# KiCad board DoubleWig.kicad_pcb

Outline 157.48 x 54.61 mm; copper layers: Top, Bottom. Coordinates in mm from the lower left corner of the outline.
Outline path: 78.12,41.81 78.12,12.8 78.15,12.6 78.26,12.16 78.38,12.07 79.13,12.07 79.26,12.16 79.37,12.6 79.39,12.8 79.39,41.81 79.37,42.01 79.26,42.45 79.13,42.55 78.38,42.55 78.26,42.45 78.15,42.01 closed ; 79.39,48.36 79.37,48.16 79.26,47.72 79.13,47.63 78.38,47.63 78.26,47.72 78.15,48.16 78.12,48.36 78.12,51.97 78.15,52.17 78.26,52.61 78.38,52.71 79.13,52.71 79.26,52.61 79.37,52.17 79.39,51.97 closed ; 79.39,2.64 79.37,2.44 79.26,2 79.13,1.91 78.38,1.91 78.26,2 78.15,2.44 78.12,2.64 78.12,6.25 78.15,6.45 78.26,6.89 78.38,6.99 79.13,6.99 79.26,6.89 79.37,6.45 79.39,6.25 closed ; 157.48,52.5 157.37,52.96 157.07,53.32 155.53,54.42 155.25,54.56 154.94,54.61 81.28,54.61 80.97,54.56 80.69,54.42 80.21,54.11 80,54.01 79.77,53.98 77.71,53.98 77.48,54.01 77.27,54.11 76.79,54.42 76.51,54.56 76.2,54.61 2.54,54.61 2.23,54.56 1.95,54.42 0.44,53.34 0.12,52.98 0,52.5 0,44.45 0.64,41.91 0.64,12.7 0,10.16 0,2.11 0.12,1.63 0.44,1.27 1.95,0.19 2.23,0.05 2.54,0 64.77,0 76.2,0 76.51,0.05 76.79,0.19 77.27,0.5 77.48,0.6 77.71,0.64 79.77,0.64 80,0.6 80.21,0.5 80.69,0.19 80.97,0.05 81.28,0 92.71,0 143.51,0 154.94,0 155.25,0.05 155.54,0.19 157.07,1.29 157.37,1.65 157.48,2.11 157.48,10.16 156.85,12.7 156.85,41.91 157.48,44.45 closed
Stack: Top 0.035mm / dielectric 1.51mm FR4 er 4.5 / Bottom 0.035mm

## Placement (name value [footprint] x y rotation side)
J1  Conn_01x01  [PinHeader_1x1_Smallest]  59.58 0.64 0 top
J1#2  Conn_01x01  [PinHeader_1x1_Smallest]  138.32 0.64 0 top
J2  Conn_01x01  [PinHeader_1x1_Smallest]  139.85 0.64 0 top
J2#2  Conn_01x01  [PinHeader_1x1_Smallest]  61.11 0.64 0 top
J3  Conn_01x01  [PinHeader_1x1_Smallest]  19.2 0.64 0 top
J3#2  Conn_01x01  [PinHeader_1x1_Smallest]  97.94 0.64 0 top
J4  Conn_01x01  [PinHeader_1x1_Smallest]  96.41 0.64 0 top
J4#2  Conn_01x01  [PinHeader_1x1_Smallest]  17.67 0.64 0 top
J5  Conn_01x01  [PinHeader_1x1_Smallest]  39.39 0.64 0 top
J5#2  Conn_01x01  [PinHeader_1x1_Smallest]  118.13 0.64 0 top
J11  Conn_01x30  [Conn_6x30_drill]  39.39 12.06 0 top
J11#2  Conn_01x30  [Conn_6x30_drill]  118.13 12.06 0 top
J18  Conn_01x30  [Conn_6x30_drill]  118.13 27.31 0 top
J18#2  Conn_01x30  [Conn_6x30_drill]  39.39 27.31 0 top
NOREF  -  [4b964f58-7dcf-4822-b51b-f3323b5198ca]  158.3 27.77 0 top
NOREF#2  -  [4b964f58-7dcf-4822-b51b-f3323b5198ca]  79.56 53.17 0 top
NOREF#3  -  [4b964f58-7dcf-4822-b51b-f3323b5198ca]  157.67 -0.17 0 top
NOREF#4  -  [unnamed]  1.92 44.45 0 top
NOREF#5  -  [4b964f58-7dcf-4822-b51b-f3323b5198ca]  158.62 9.99 0 top
NOREF#6  -  [4b964f58-7dcf-4822-b51b-f3323b5198ca]  158.3 37.93 0 top
NOREF#7  -  [4b964f58-7dcf-4822-b51b-f3323b5198ca]  -0.79 29.38 180 top
NOREF#8  -  [4b964f58-7dcf-4822-b51b-f3323b5198ca]  -0.15 54.78 180 top
NOREF#9  -  [unnamed]  80.66 10.16 0 top
NOREF#10  -  [4b964f58-7dcf-4822-b51b-f3323b5198ca]  158.62 43.01 0 top
NOREF#11  -  [4b964f58-7dcf-4822-b51b-f3323b5198ca]  79.56 2.37 0 top
NOREF#12  -  [4b964f58-7dcf-4822-b51b-f3323b5198ca]  158.3 22.69 0 top
NOREF#13  -  [4b964f58-7dcf-4822-b51b-f3323b5198ca]  -0.79 26.84 180 top
NOREF#14  -  [4b964f58-7dcf-4822-b51b-f3323b5198ca]  79.56 12.53 0 top
NOREF#15  -  [4b964f58-7dcf-4822-b51b-f3323b5198ca]  -0.79 39.54 180 top
NOREF#16  -  [4b964f58-7dcf-4822-b51b-f3323b5198ca]  79.56 25.23 0 top
NOREF#17  -  [unnamed]  76.85 44.45 0 top
NOREF#18  -  [f7de1319-300c-4628-8d0f-cc129d05e6c7]  0.61 9.99 0 top
NOREF#19  -  [4b964f58-7dcf-4822-b51b-f3323b5198ca]  79.56 20.15 0 top
NOREF#20  -  [4b964f58-7dcf-4822-b51b-f3323b5198ca]  158.3 15.07 0 top
NOREF#21  -  [4b964f58-7dcf-4822-b51b-f3323b5198ca]  158.3 32.85 0 top
NOREF#22  -  [4b964f58-7dcf-4822-b51b-f3323b5198ca]  79.56 35.39 0 top
NOREF#23  -  [4b964f58-7dcf-4822-b51b-f3323b5198ca]  79.56 37.93 0 top
NOREF#24  -  [4b964f58-7dcf-4822-b51b-f3323b5198ca]  79.56 4.91 0 top
NOREF#25  -  [4b964f58-7dcf-4822-b51b-f3323b5198ca]  79.56 45.55 0 top
NOREF#26  -  [4b964f58-7dcf-4822-b51b-f3323b5198ca]  -0.79 42.08 180 top
NOREF#27  -  [4b964f58-7dcf-4822-b51b-f3323b5198ca]  158.3 40.47 0 top
NOREF#28  -  [4b964f58-7dcf-4822-b51b-f3323b5198ca]  79.56 30.31 0 top
NOREF#29  -  [4b964f58-7dcf-4822-b51b-f3323b5198ca]  158.3 25.23 0 top
NOREF#30  -  [unnamed]  76.85 10.16 0 top
NOREF#31  -  [4b964f58-7dcf-4822-b51b-f3323b5198ca]  -0.79 34.46 180 top
NOREF#32  -  [4b964f58-7dcf-4822-b51b-f3323b5198ca]  79.56 -0.17 0 top
NOREF#33  -  [4b964f58-7dcf-4822-b51b-f3323b5198ca]  158.62 4.91 0 top
NOREF#34  -  [f7de1319-300c-4628-8d0f-cc129d05e6c7]  0.51 7.45 0 top
NOREF#35  -  [4b964f58-7dcf-4822-b51b-f3323b5198ca]  158.62 45.55 0 top
NOREF#36  -  [4b964f58-7dcf-4822-b51b-f3323b5198ca]  158.62 48.09 0 top
NOREF#37  -  [f7de1319-300c-4628-8d0f-cc129d05e6c7]  0.51 4.91 0 top
NOREF#38  -  [4b964f58-7dcf-4822-b51b-f3323b5198ca]  158.3 30.31 0 top
NOREF#39  -  [f7de1319-300c-4628-8d0f-cc129d05e6c7]  0.61 43.01 0 top
NOREF#40  -  [4b964f58-7dcf-4822-b51b-f3323b5198ca]  79.56 9.99 0 top
NOREF#41  -  [4b964f58-7dcf-4822-b51b-f3323b5198ca]  79.56 40.47 0 top
NOREF#42  -  [4b964f58-7dcf-4822-b51b-f3323b5198ca]  79.56 50.63 0 top
NOREF#43  -  [unnamed]  155.59 44.45 0 top
NOREF#44  -  [4b964f58-7dcf-4822-b51b-f3323b5198ca]  -0.15 1.44 180 top
NOREF#45  -  [4b964f58-7dcf-4822-b51b-f3323b5198ca]  -0.79 21.76 180 top
NOREF#46  -  [4b964f58-7dcf-4822-b51b-f3323b5198ca]  79.56 43.01 0 top
NOREF#47  -  [4b964f58-7dcf-4822-b51b-f3323b5198ca]  158.62 7.45 0 top
NOREF#48  -  [4b964f58-7dcf-4822-b51b-f3323b5198ca]  158.3 20.15 0 top
NOREF#49  -  [f7de1319-300c-4628-8d0f-cc129d05e6c7]  0.51 2.37 0 top
NOREF#50  -  [f7de1319-300c-4628-8d0f-cc129d05e6c7]  0.51 45.55 0 top
NOREF#51  -  [4b964f58-7dcf-4822-b51b-f3323b5198ca]  158.3 12.53 0 top
NOREF#52  -  [4b964f58-7dcf-4822-b51b-f3323b5198ca]  79.56 32.85 0 top
NOREF#53  -  [unnamed]  155.59 10.16 0 top
NOREF#54  -  [4b964f58-7dcf-4822-b51b-f3323b5198ca]  79.56 27.77 0 top
NOREF#55  -  [4b964f58-7dcf-4822-b51b-f3323b5198ca]  -0.79 31.92 180 top
NOREF#56  -  [4b964f58-7dcf-4822-b51b-f3323b5198ca]  157.67 53.17 0 top
NOREF#57  -  [f7de1319-300c-4628-8d0f-cc129d05e6c7]  0.51 48.09 0 top
NOREF#58  -  [4b964f58-7dcf-4822-b51b-f3323b5198ca]  158.62 50.63 0 top
NOREF#59  -  [4b964f58-7dcf-4822-b51b-f3323b5198ca]  158.3 35.39 0 top
NOREF#60  -  [4b964f58-7dcf-4822-b51b-f3323b5198ca]  -0.79 16.68 180 top
NOREF#61  -  [4b964f58-7dcf-4822-b51b-f3323b5198ca]  -0.79 14.14 180 top
NOREF#62  -  [4b964f58-7dcf-4822-b51b-f3323b5198ca]  79.56 17.61 0 top
NOREF#63  -  [4b964f58-7dcf-4822-b51b-f3323b5198ca]  158.62 2.37 0 top
NOREF#64  -  [unnamed]  1.92 10.16 0 top
NOREF#65  -  [4b964f58-7dcf-4822-b51b-f3323b5198ca]  79.56 22.69 0 top
NOREF#66  -  [4b964f58-7dcf-4822-b51b-f3323b5198ca]  -0.79 37 180 top
NOREF#67  -  [f7de1319-300c-4628-8d0f-cc129d05e6c7]  0.51 50.63 0 top
NOREF#68  -  [4b964f58-7dcf-4822-b51b-f3323b5198ca]  79.56 7.45 0 top
NOREF#69  -  [4b964f58-7dcf-4822-b51b-f3323b5198ca]  -0.79 24.3 180 top
NOREF#70  -  [unnamed]  80.66 44.45 0 top
NOREF#71  -  [4b964f58-7dcf-4822-b51b-f3323b5198ca]  158.3 17.61 0 top
NOREF#72  -  [4b964f58-7dcf-4822-b51b-f3323b5198ca]  -0.79 19.22 180 top
NOREF#73  -  [4b964f58-7dcf-4822-b51b-f3323b5198ca]  79.56 48.09 0 top
NOREF#74  -  [f7de1319-300c-4628-8d0f-cc129d05e6c7]  0.61 53.17 0 top
NOREF#75  -  [4b964f58-7dcf-4822-b51b-f3323b5198ca]  79.56 15.07 0 top
REF**  -  [Conn_2x30_raildrill]  39.39 50.17 180 top
REF**#2  -  [Conn_2x30_raildrill]  118.13 4.45 180 top
REF**#3  -  [Conn_2x30_raildrill]  39.39 4.45 180 top
REF**#4  -  [Conn_2x30_raildrill]  118.13 50.17 180 top

## Library data of the parts
J1 J1#2 J2 J2#2 J3 J3#2 J4 J4#2 J5 J5#2 = -: Description: Generic connector, single row, 01x01, script generated (kicad-library-utils/schlib/autogen/connector/); ki_fp_filters: Connector*:*_1x??_*
J11 J11#2 J18 J18#2 = -: ki_fp_filters: Connector*:*_1x??_*

## Footprints (pads in the part's own frame, mm; a bottom-side part is the same pattern mirrored in y, then rotated)
Conn_2x30_raildrill
  round 0.5 hole 0.2: 1(-37.588,-0.956) 1(-37.588,-1.584) 1(-37.144,-0.512) 1(-37.144,-2.028) 1(-36.516,-0.512) 1(-36.516,-2.028) 1(-36.072,-0.956) 1(-36.072,-1.584) 1(-35.048,-0.956) 1(-35.048,-1.584) 1(-34.604,-0.512) 1(-34.604,-2.028) 1(-33.976,-0.512) 1(-33.976,-2.028) 1(-33.532,-0.956) 1(-33.532,-1.584) 1(-32.508,-0.956) 1(-32.508,-1.584) 1(-32.064,-0.512) 1(-32.064,-2.028) 1(-31.436,-0.512) 1(-31.436,-2.028) 1(-30.992,-0.956) 1(-30.992,-1.584) 1(-29.968,-0.956) 1(-29.968,-1.584) 1(-29.524,-0.512) 1(-29.524,-2.028) 1(-28.896,-0.512) 1(-28.896,-2.028) 1(-28.452,-0.956) 1(-28.452,-1.584) 1(-27.428,-0.956) 1(-27.428,-1.584) 1(-26.984,-0.512) 1(-26.984,-2.028) 1(-26.356,-0.512) 1(-26.356,-2.028) 1(-25.912,-0.956) 1(-25.912,-1.584) 1(-24.888,-0.956) 1(-24.888,-1.584) 1(-24.444,-0.512) 1(-24.444,-2.028) 1(-23.816,-0.512) 1(-23.816,-2.028) 1(-23.372,-0.956) 1(-23.372,-1.584) 1(-22.348,-0.956) 1(-22.348,-1.584) 1(-21.904,-0.512) 1(-21.904,-2.028) 1(-21.276,-0.512) 1(-21.276,-2.028) 1(-20.832,-0.956) 1(-20.832,-1.584) 1(-19.808,-0.956) 1(-19.808,-1.584) 1(-19.364,-0.512) 1(-19.364,-2.028) 1(-18.736,-0.512) 1(-18.736,-2.028) 1(-18.292,-0.956) 1(-18.292,-1.584) 1(-17.268,-0.956) 1(-17.268,-1.584) 1(-16.824,-0.512) 1(-16.824,-2.028) 1(-16.196,-0.512) 1(-16.196,-2.028) 1(-15.752,-0.956) 1(-15.752,-1.584) 1(-14.728,-0.956) 1(-14.728,-1.584) 1(-14.284,-0.512) 1(-14.284,-2.028) 1(-13.656,-0.512) 1(-13.656,-2.028) 1(-13.212,-0.956) 1(-13.212,-1.584) 1(-12.188,-0.956) 1(-12.188,-1.584) 1(-11.744,-0.512) 1(-11.744,-2.028) 1(-11.116,-0.512) 1(-11.116,-2.028) 1(-10.672,-0.956) 1(-10.672,-1.584) 1(-9.648,-0.956) 1(-9.648,-1.584) 1(-9.204,-0.512) 1(-9.204,-2.028) 1(-8.576,-0.512) 1(-8.576,-2.028) 1(-8.132,-0.956) 1(-8.132,-1.584) 1(-7.108,-0.956) 1(-7.108,-1.584) 1(-6.664,-0.512) 1(-6.664,-2.028) 1(-6.036,-0.512) 1(-6.036,-2.028) 1(-5.592,-0.956) 1(-5.592,-1.584) 1(-4.568,-0.956) 1(-4.568,-1.584) 1(-4.124,-0.512) 1(-4.124,-2.028) 1(-3.496,-0.512) 1(-3.496,-2.028) 1(-3.052,-0.956) 1(-3.052,-1.584) 1(-2.028,-0.956) 1(-2.028,-1.584) 1(-1.584,-0.512) 1(-1.584,-2.028) 1(-0.956,-0.512) 1(-0.956,-2.028) 1(-0.512,-0.956) 1(-0.512,-1.584) 1(0.512,-0.956) 1(0.512,-1.584) 1(0.956,-0.512) 1(0.956,-2.028) 1(1.584,-0.512) 1(1.584,-2.028) 1(2.028,-0.956) 1(2.028,-1.584) 1(3.052,-0.956) 1(3.052,-1.584) 1(3.496,-0.512) 1(3.496,-2.028) 1(4.124,-0.512) 1(4.124,-2.028) 1(4.568,-0.956) 1(4.568,-1.584) 1(5.592,-0.956) 1(5.592,-1.584) 1(6.036,-0.512) 1(6.036,-2.028) 1(6.664,-0.512) 1(6.664,-2.028) 1(7.108,-0.956) 1(7.108,-1.584) 1(8.132,-0.956) 1(8.132,-1.584) 1(8.576,-0.512) 1(8.576,-2.028) 1(9.204,-0.512) 1(9.204,-2.028) 1(9.648,-0.956) 1(9.648,-1.584) 1(10.672,-0.956) 1(10.672,-1.584) 1(11.116,-0.512) 1(11.116,-2.028) 1(11.744,-0.512) 1(11.744,-2.028) 1(12.188,-0.956) 1(12.188,-1.584) 1(13.212,-0.956) 1(13.212,-1.584) 1(13.656,-0.512) 1(13.656,-2.028) 1(14.284,-0.512) 1(14.284,-2.028) 1(14.728,-0.956) 1(14.728,-1.584) 1(15.752,-0.956) 1(15.752,-1.584) 1(16.196,-0.512) 1(16.196,-2.028) 1(16.824,-0.512) 1(16.824,-2.028) 1(17.268,-0.956) 1(17.268,-1.584) 1(18.292,-0.956) 1(18.292,-1.584) 1(18.736,-0.512) 1(18.736,-2.028) 1(19.364,-0.512) 1(19.364,-2.028) 1(19.808,-0.956) 1(19.808,-1.584) 1(20.832,-0.956) 1(20.832,-1.584) 1(21.276,-0.512) 1(21.276,-2.028) 1(21.904,-0.512) 1(21.904,-2.028) 1(22.348,-0.956) 1(22.348,-1.584) 1(23.372,-0.956) 1(23.372,-1.584) 1(23.816,-0.512) 1(23.816,-2.028) 1(24.444,-0.512) 1(24.444,-2.028) 1(24.888,-0.956) 1(24.888,-1.584) 1(25.912,-0.956) 1(25.912,-1.584) 1(26.356,-0.512) 1(26.356,-2.028) 1(26.984,-0.512) 1(26.984,-2.028) 1(27.428,-0.956) 1(27.428,-1.584) 1(28.452,-0.956) 1(28.452,-1.584) 1(28.896,-0.512) 1(28.896,-2.028) 1(29.524,-0.512) 1(29.524,-2.028) 1(29.968,-0.956) 1(29.968,-1.584) 1(30.992,-0.956) 1(30.992,-1.584) 1(31.436,-0.512) 1(31.436,-2.028) 1(32.064,-0.512) 1(32.064,-2.028) 1(32.508,-0.956) 1(32.508,-1.584) 1(33.532,-0.956) 1(33.532,-1.584) 1(33.976,-0.512) 1(33.976,-2.028) 1(34.604,-0.512) 1(34.604,-2.028) 1(35.048,-0.956) 1(35.048,-1.584) 1(36.072,-0.956) 1(36.072,-1.584) 1(36.516,-0.512) 1(36.516,-2.028) 1(37.144,-0.512) 1(37.144,-2.028) 1(37.588,-0.956) 1(37.588,-1.584) 2(-37.588,1.584) 2(-37.588,0.956) 2(-37.144,2.028) 2(-37.144,0.512) 2(-36.516,2.028) 2(-36.516,0.512) 2(-36.072,1.584) 2(-36.072,0.956) 2(-35.048,1.584) 2(-35.048,0.956) 2(-34.604,2.028) 2(-34.604,0.512) 2(-33.976,2.028) 2(-33.976,0.512) 2(-33.532,1.584) 2(-33.532,0.956) 2(-32.508,1.584) 2(-32.508,0.956) 2(-32.064,2.028) 2(-32.064,0.512) 2(-31.436,2.028) 2(-31.436,0.512) 2(-30.992,1.584) 2(-30.992,0.956) 2(-29.968,1.584) 2(-29.968,0.956) 2(-29.524,2.028) 2(-29.524,0.512) 2(-28.896,2.028) 2(-28.896,0.512) 2(-28.452,1.584) 2(-28.452,0.956) 2(-27.428,1.584) 2(-27.428,0.956) 2(-26.984,2.028) 2(-26.984,0.512) 2(-26.356,2.028) 2(-26.356,0.512) 2(-25.912,1.584) 2(-25.912,0.956) 2(-24.888,1.584) 2(-24.888,0.956) 2(-24.444,2.028) 2(-24.444,0.512) 2(-23.816,2.028) 2(-23.816,0.512) 2(-23.372,1.584) 2(-23.372,0.956) 2(-22.348,1.584) 2(-22.348,0.956) 2(-21.904,2.028) 2(-21.904,0.512) 2(-21.276,2.028) 2(-21.276,0.512) 2(-20.832,1.584) 2(-20.832,0.956) 2(-19.808,1.584) 2(-19.808,0.956) 2(-19.364,2.028) 2(-19.364,0.512) 2(-18.736,2.028) 2(-18.736,0.512) 2(-18.292,1.584) 2(-18.292,0.956) 2(-17.268,1.584) 2(-17.268,0.956) 2(-16.824,2.028) 2(-16.824,0.512) 2(-16.196,2.028) 2(-16.196,0.512) 2(-15.752,1.584) 2(-15.752,0.956) 2(-14.728,1.584) 2(-14.728,0.956) 2(-14.284,2.028) 2(-14.284,0.512) 2(-13.656,2.028) 2(-13.656,0.512) 2(-13.212,1.584) 2(-13.212,0.956) 2(-12.188,1.584) 2(-12.188,0.956) 2(-11.744,2.028) 2(-11.744,0.512) 2(-11.116,2.028) 2(-11.116,0.512) 2(-10.672,1.584) 2(-10.672,0.956) 2(-9.648,1.584) 2(-9.648,0.956) 2(-9.204,2.028) 2(-9.204,0.512) 2(-8.576,2.028) 2(-8.576,0.512) 2(-8.132,1.584) 2(-8.132,0.956) 2(-7.108,1.584) 2(-7.108,0.956) 2(-6.664,2.028) 2(-6.664,0.512) 2(-6.036,2.028) 2(-6.036,0.512) 2(-5.592,1.584) 2(-5.592,0.956) 2(-4.568,1.584) 2(-4.568,0.956) 2(-4.124,2.028) 2(-4.124,0.512) 2(-3.496,2.028) 2(-3.496,0.512) 2(-3.052,1.584) 2(-3.052,0.956) 2(-2.028,1.584) 2(-2.028,0.956) 2(-1.584,2.028) 2(-1.584,0.512) 2(-0.956,2.028) 2(-0.956,0.512) 2(-0.512,1.584) 2(-0.512,0.956) 2(0.512,1.584) 2(0.512,0.956) 2(0.956,2.028) 2(0.956,0.512) 2(1.584,2.028) 2(1.584,0.512) 2(2.028,1.584) 2(2.028,0.956) 2(3.052,1.584) 2(3.052,0.956) 2(3.496,2.028) 2(3.496,0.512) 2(4.124,2.028) 2(4.124,0.512) 2(4.568,1.584) 2(4.568,0.956) 2(5.592,1.584) 2(5.592,0.956) 2(6.036,2.028) 2(6.036,0.512) 2(6.664,2.028) 2(6.664,0.512) 2(7.108,1.584) 2(7.108,0.956) 2(8.132,1.584) 2(8.132,0.956) 2(8.576,2.028) 2(8.576,0.512) 2(9.204,2.028) 2(9.204,0.512) 2(9.648,1.584) 2(9.648,0.956) 2(10.672,1.584) 2(10.672,0.956) 2(11.116,2.028) 2(11.116,0.512) 2(11.744,2.028) 2(11.744,0.512) 2(12.188,1.584) 2(12.188,0.956) 2(13.212,1.584) 2(13.212,0.956) 2(13.656,2.028) 2(13.656,0.512) 2(14.284,2.028) 2(14.284,0.512) 2(14.728,1.584) 2(14.728,0.956) 2(15.752,1.584) 2(15.752,0.956) 2(16.196,2.028) 2(16.196,0.512) 2(16.824,2.028) 2(16.824,0.512) 2(17.268,1.584) 2(17.268,0.956) 2(18.292,1.584) 2(18.292,0.956) 2(18.736,2.028) 2(18.736,0.512) 2(19.364,2.028) 2(19.364,0.512) 2(19.808,1.584) 2(19.808,0.956) 2(20.832,1.584) 2(20.832,0.956) 2(21.276,2.028) 2(21.276,0.512) 2(21.904,2.028) 2(21.904,0.512) 2(22.348,1.584) 2(22.348,0.956) 2(23.372,1.584) 2(23.372,0.956) 2(23.816,2.028) 2(23.816,0.512) 2(24.444,2.028) 2(24.444,0.512) 2(24.888,1.584) 2(24.888,0.956) 2(25.912,1.584) 2(25.912,0.956) 2(26.356,2.028) 2(26.356,0.512) 2(26.984,2.028) 2(26.984,0.512) 2(27.428,1.584) 2(27.428,0.956) 2(28.452,1.584) 2(28.452,0.956) 2(28.896,2.028) 2(28.896,0.512) 2(29.524,2.028) 2(29.524,0.512) 2(29.968,1.584) 2(29.968,0.956) 2(30.992,1.584) 2(30.992,0.956) 2(31.436,2.028) 2(31.436,0.512) 2(32.064,2.028) 2(32.064,0.512) 2(32.508,1.584) 2(32.508,0.956) 2(33.532,1.584) 2(33.532,0.956) 2(33.976,2.028) 2(33.976,0.512) 2(34.604,2.028) 2(34.604,0.512) 2(35.048,1.584) 2(35.048,0.956) 2(36.072,1.584) 2(36.072,0.956) 2(36.516,2.028) 2(36.516,0.512) 2(37.144,2.028) 2(37.144,0.512) 2(37.588,1.584) 2(37.588,0.956)
  round 1.3 hole 1.2: 1(-36.83,-1.27) 1(-34.29,-1.27) 1(-31.75,-1.27) 1(-29.21,-1.27) 1(-26.67,-1.27) 1(-24.13,-1.27) 1(-21.59,-1.27) 1(-8.89,-1.27) 1(-6.35,-1.27) 1(-3.81,-1.27) 1(-1.27,-1.27) 1(1.27,-1.27) 1(3.81,-1.27) 1(6.35,-1.27) 1(8.89,-1.27) 1(11.43,-1.27) 1(13.97,-1.27) 1(16.51,-1.27) 1(19.05,-1.27) 1(21.59,-1.27) 1(24.13,-1.27) 1(26.67,-1.27) 1(29.21,-1.27) 1(31.75,-1.27) 1(34.29,-1.27) 1(36.83,-1.27) 2(-36.83,1.27) 2(-34.29,1.27) 2(-31.75,1.27) 2(-29.21,1.27) 2(-26.67,1.27) 2(-24.13,1.27) 2(-21.59,1.27) 2(-8.89,1.27) 2(-6.35,1.27) 2(-3.81,1.27) 2(-1.27,1.27) 2(1.27,1.27) 2(3.81,1.27) 2(6.35,1.27) 2(8.89,1.27) 2(11.43,1.27) 2(13.97,1.27) 2(16.51,1.27) 2(19.05,1.27) 2(21.59,1.27) 2(24.13,1.27) 2(26.67,1.27) 2(29.21,1.27) 2(31.75,1.27) 2(34.29,1.27) 2(36.83,1.27)
  round 1.5 smd far side: 1(-36.83,-1.27) 1(-29.21,-1.27) 1(-29.21,-1.27) 1(-21.59,-1.27) 1(-21.59,-1.27) 1(-21.59,-1.27) 1(-13.97,-1.27) 1(-13.97,-1.27) 1(-6.35,-1.27) 1(-6.35,-1.27) 1(-6.35,-1.27) 1(1.27,-1.27) 1(1.27,-1.27) 1(8.89,-1.27) 1(8.89,-1.27) 1(8.89,-1.27) 1(16.51,-1.27) 1(16.51,-1.27) 1(24.13,-1.27) 1(24.13,-1.27) 1(24.13,-1.27) 2(-36.83,1.27) 2(-36.83,1.27) 2(-29.21,1.27) 2(-29.21,1.27) 2(-21.59,1.27) 2(-21.59,1.27) 2(-21.59,1.27) 2(-13.97,1.27) 2(-13.97,1.27) 2(-6.35,1.27) 2(-6.35,1.27) 2(-6.35,1.27) 2(1.27,1.27) 2(1.27,1.27) 2(8.89,1.27) 2(8.89,1.27) 2(8.89,1.27) 2(16.51,1.27) 2(16.51,1.27) 2(24.13,1.27) 2(24.13,1.27) 2(24.13,1.27)
  custom 14.873x2.173 smd: 1(-36.83,-1.27) 1(-29.21,-1.27) 1(-21.59,-1.27) 1(-13.97,-1.27) 1(-6.35,-1.27) 1(1.27,-1.27) 1(8.89,-1.27) 1(16.51,-1.27) 1(24.13,-1.27) 2(-36.83,1.27) 2(-29.21,1.27) 2(-21.59,1.27) 2(-13.97,1.27) 2(-6.35,1.27) 2(1.27,1.27) 2(8.89,1.27) 2(16.51,1.27) 2(24.13,1.27)
  round 1.5 hole 1.2: 1(-19.05,-1.27) 1(-16.51,-1.27) 1(-13.97,-1.27) 1(-11.43,-1.27) 2(-19.05,1.27) 2(-16.51,1.27) 2(-13.97,1.27) 2(-11.43,1.27)
Conn_6x30_drill
  round 0.5 hole 0.2: 1(-37.588,13.656) 1(-37.588,11.744) 1(-37.588,3.496) 1(-37.588,14.284) 1(-37.588,11.116) 1(-37.588,9.204) 1(-37.588,8.576) 1(-37.588,6.664) 1(-37.588,6.036) 1(-37.588,4.124) 1(-37.588,1.584) 1(-37.588,0.956) 1(-37.144,14.728) 1(-37.144,13.212) 1(-37.144,12.188) 1(-37.144,10.672) 1(-37.144,9.648) 1(-37.144,8.132) 1(-37.144,7.108) 1(-37.144,5.592) 1(-37.144,4.568) 1(-37.144,3.052) 1(-37.144,2.028) 1(-37.144,0.512) 1(-36.516,14.728) 1(-36.516,13.212) 1(-36.516,12.188) 1(-36.516,10.672) 1(-36.516,9.648) 1(-36.516,8.132) 1(-36.516,7.108) 1(-36.516,5.592) 1(-36.516,4.568) 1(-36.516,3.052) 1(-36.516,2.028) 1(-36.516,0.512) 1(-36.072,14.284) 1(-36.072,11.116) 1(-36.072,9.204) 1(-36.072,8.576) 1(-36.072,6.664) 1(-36.072,6.036) 1(-36.072,4.124) 1(-36.072,1.584) 1(-36.072,0.956) 1(-36.072,13.656) 1(-36.072,11.744) 1(-36.072,3.496) 1(-35.048,13.656) 1(-35.048,13.656) 1(-35.048,11.744) 1(-35.048,11.744) 1(-35.048,3.496) 1(-35.048,3.496) 1(-35.048,14.284) 1(-35.048,14.284) 1(-35.048,11.116) 1(-35.048,11.116) 1(-35.048,9.204) 1(-35.048,9.204) 1(-35.048,8.576) 1(-35.048,8.576) 1(-35.048,6.664) 1(-35.048,6.664) 1(-35.048,6.036) 1(-35.048,6.036) 1(-35.048,4.124) 1(-35.048,4.124) 1(-35.048,1.584) 1(-35.048,1.584) 1(-35.048,0.956) 1(-35.048,0.956) 1(-34.604,14.728) 1(-34.604,14.728) 2(-34.604,13.212) 2(-34.604,13.212) 2(-34.604,12.188) 2(-34.604,12.188) 2(-34.604,10.672) 2(-34.604,10.672) 2(-34.604,9.648) 2(-34.604,9.648) 2(-34.604,8.132) 2(-34.604,8.132) 2(-34.604,7.108) 2(-34.604,7.108) 2(-34.604,5.592) 2(-34.604,5.592) 2(-34.604,4.568) 2(-34.604,4.568) 2(-34.604,3.052) 2(-34.604,3.052) 2(-34.604,2.028) 2(-34.604,2.028) 2(-34.604,0.512) 2(-34.604,0.512) 2(-33.976,14.728) 2(-33.976,14.728) 2(-33.976,13.212) 2(-33.976,13.212) 2(-33.976,12.188) 2(-33.976,12.188) 2(-33.976,10.672) 2(-33.976,10.672) 2(-33.976,9.648) 2(-33.976,9.648) 2(-33.976,8.132) 2(-33.976,8.132) 2(-33.976,7.108) 2(-33.976,7.108) 2(-33.976,5.592) 2(-33.976,5.592) 2(-33.976,4.568) 2(-33.976,4.568) 2(-33.976,3.052) 2(-33.976,3.052) 2(-33.976,2.028) 2(-33.976,2.028) 2(-33.976,0.512) 2(-33.976,0.512) 2(-33.532,14.284) 2(-33.532,14.284) 2(-33.532,11.116) 2(-33.532,11.116) 2(-33.532,9.204) 2(-33.532,9.204) 2(-33.532,8.576) 2(-33.532,8.576) 2(-33.532,6.664) 2(-33.532,6.664) 2(-33.532,6.036) 2(-33.532,6.036) 2(-33.532,4.124) 2(-33.532,4.124) 2(-33.532,1.584) 2(-33.532,1.584) 2(-33.532,0.956) 2(-33.532,0.956) 2(-33.532,13.656) 2(-33.532,13.656) 2(-33.532,11.744) 2(-33.532,11.744) 2(-33.532,3.496) 2(-33.532,3.496) 2(-32.508,13.656) 2(-32.508,13.656) 2(-32.508,11.744) 2(-32.508,11.744) 2(-32.508,3.496) 2(-32.508,3.496) 2(-32.508,14.284) 2(-32.508,14.284) 2(-32.508,11.116) 2(-32.508,11.116) 2(-32.508,9.204) 2(-32.508,9.204) 2(-32.508,8.576) 2(-32.508,8.576) 2(-32.508,6.664) 2(-32.508,6.664) 2(-32.508,6.036) 2(-32.508,6.036) 2(-32.508,4.124) 2(-32.508,4.124) 2(-32.508,1.584) 2(-32.508,1.584) 2(-32.508,0.956) 2(-32.508,0.956) 2(-32.064,14.728) 2(-32.064,14.728) 3(-32.064,13.212) 3(-32.064,13.212) 3(-32.064,12.188) 3(-32.064,12.188) 3(-32.064,10.672) 3(-32.064,10.672) 3(-32.064,9.648) 3(-32.064,9.648) 3(-32.064,8.132) 3(-32.064,8.132) 3(-32.064,7.108) 3(-32.064,7.108) 3(-32.064,5.592) 3(-32.064,5.592) 3(-32.064,4.568) 3(-32.064,4.568) 3(-32.064,3.052) 3(-32.064,3.052) 3(-32.064,2.028) 3(-32.064,2.028) 3(-32.064,0.512) 3(-32.064,0.512) 3(-31.436,14.728) 3(-31.436,14.728) 3(-31.436,13.212) 3(-31.436,13.212) 3(-31.436,12.188) 3(-31.436,12.188) 3(-31.436,10.672) 3(-31.436,10.672) 3(-31.436,9.648) 3(-31.436,9.648) 3(-31.436,8.132) 3(-31.436,8.132) 3(-31.436,7.108) 3(-31.436,7.108) 3(-31.436,5.592) 3(-31.436,5.592) 3(-31.436,4.568) 3(-31.436,4.568) 3(-31.436,3.052) 3(-31.436,3.052) 3(-31.436,2.028) 3(-31.436,2.028) 3(-31.436,0.512) 3(-31.436,0.512) 3(-30.992,14.284) 3(-30.992,14.284) 3(-30.992,11.116) 3(-30.992,11.116) 3(-30.992,9.204) 3(-30.992,9.204) 3(-30.992,8.576) 3(-30.992,8.576) 3(-30.992,6.664) 3(-30.992,6.664) 3(-30.992,6.036) 3(-30.992,6.036) 3(-30.992,4.124) 3(-30.992,4.124) 3(-30.992,1.584) 3(-30.992,1.584) 3(-30.992,0.956) 3(-30.992,0.956) 3(-30.992,13.656) 3(-30.992,13.656) 3(-30.992,11.744) 3(-30.992,11.744) 3(-30.992,3.496) 3(-30.992,3.496) 3(-29.968,13.656) 3(-29.968,13.656) 3(-29.968,11.744) 3(-29.968,11.744) 3(-29.968,3.496) 3(-29.968,3.496) 3(-29.968,14.284) 3(-29.968,14.284) 3(-29.968,11.116) 3(-29.968,11.116) 3(-29.968,9.204) 3(-29.968,9.204) 3(-29.968,8.576) 3(-29.968,8.576) 3(-29.968,6.664) 3(-29.968,6.664) 3(-29.968,6.036) 3(-29.968,6.036) 3(-29.968,4.124) 3(-29.968,4.124) 3(-29.968,1.584) 3(-29.968,1.584) 3(-29.968,0.956) 3(-29.968,0.956) 3(-29.524,14.728) 3(-29.524,14.728) 4(-29.524,13.212) 4(-29.524,13.212) 4(-29.524,12.188) 4(-29.524,12.188) 4(-29.524,10.672) 4(-29.524,10.672) 4(-29.524,9.648) 4(-29.524,9.648) 4(-29.524,8.132) 4(-29.524,8.132) 4(-29.524,7.108) 4(-29.524,7.108) 4(-29.524,5.592) 4(-29.524,5.592) 4(-29.524,4.568) 4(-29.524,4.568) 4(-29.524,3.052) 4(-29.524,3.052) 4(-29.524,2.028) 4(-29.524,2.028) 4(-29.524,0.512) 4(-29.524,0.512) 4(-28.896,14.728) 4(-28.896,14.728) 4(-28.896,13.212) 4(-28.896,13.212) 4(-28.896,12.188) 4(-28.896,12.188) 4(-28.896,10.672) 4(-28.896,10.672) 4(-28.896,9.648) 4(-28.896,9.648) 4(-28.896,8.132) 4(-28.896,8.132) 4(-28.896,7.108) 4(-28.896,7.108) 4(-28.896,5.592) 4(-28.896,5.592) 4(-28.896,4.568) 4(-28.896,4.568) 4(-28.896,3.052) 4(-28.896,3.052) 4(-28.896,2.028) 4(-28.896,2.028) 4(-28.896,0.512) 4(-28.896,0.512) 4(-28.452,14.284) 4(-28.452,14.284) 4(-28.452,11.116) 4(-28.452,11.116) 4(-28.452,9.204) 4(-28.452,9.204) 4(-28.452,8.576) 4(-28.452,8.576) 4(-28.452,6.664) 4(-28.452,6.664) 4(-28.452,6.036) 4(-28.452,6.036) 4(-28.452,4.124) 4(-28.452,4.124) 4(-28.452,1.584) 4(-28.452,1.584) 4(-28.452,0.956) 4(-28.452,0.956) 4(-28.452,13.656) 4(-28.452,13.656) 4(-28.452,11.744) 4(-28.452,11.744) 4(-28.452,3.496) 4(-28.452,3.496) 4(-27.428,13.656) 4(-27.428,13.656) 4(-27.428,11.744) 4(-27.428,11.744) 4(-27.428,3.496) 4(-27.428,3.496) 4(-27.428,14.284) 4(-27.428,14.284) 4(-27.428,11.116) 4(-27.428,11.116) 4(-27.428,9.204) 4(-27.428,9.204) 4(-27.428,8.576) 4(-27.428,8.576) 4(-27.428,6.664) 4(-27.428,6.664) 4(-27.428,6.036) 4(-27.428,6.036) 4(-27.428,4.124) 4(-27.428,4.124) 4(-27.428,1.584) 4(-27.428,1.584) 4(-27.428,0.956) 4(-27.428,0.956) 4(-26.984,14.728) 4(-26.984,14.728) 5(-26.984,13.212) 5(-26.984,13.212) 5(-26.984,12.188) 5(-26.984,12.188) 5(-26.984,10.672) 5(-26.984,10.672) 5(-26.984,9.648) 5(-26.984,9.648) 5(-26.984,8.132) 5(-26.984,8.132) 5(-26.984,7.108) 5(-26.984,7.108) 5(-26.984,5.592) 5(-26.984,5.592) 5(-26.984,4.568) 5(-26.984,4.568) 5(-26.984,3.052) 5(-26.984,3.052) 5(-26.984,2.028) 5(-26.984,2.028) 5(-26.984,0.512) 5(-26.984,0.512) 5(-26.356,14.728) 5(-26.356,14.728) 5(-26.356,13.212) 5(-26.356,13.212) 5(-26.356,12.188) 5(-26.356,12.188) 5(-26.356,10.672) 5(-26.356,10.672) 5(-26.356,9.648) 5(-26.356,9.648) 5(-26.356,8.132) 5(-26.356,8.132) 5(-26.356,7.108) 5(-26.356,7.108) 5(-26.356,5.592) 5(-26.356,5.592) 5(-26.356,4.568) 5(-26.356,4.568) 5(-26.356,3.052) 5(-26.356,3.052) 5(-26.356,2.028) 5(-26.356,2.028) 5(-26.356,0.512) 5(-26.356,0.512) 5(-25.912,14.284) 5(-25.912,14.284) 5(-25.912,11.116) 5(-25.912,11.116) 5(-25.912,9.204) 5(-25.912,9.204) 5(-25.912,8.576) 5(-25.912,8.576) 5(-25.912,6.664) 5(-25.912,6.664) 5(-25.912,6.036) 5(-25.912,6.036) 5(-25.912,4.124) 5(-25.912,4.124) 5(-25.912,1.584) 5(-25.912,1.584) 5(-25.912,0.956) 5(-25.912,0.956) 5(-25.912,13.656) 5(-25.912,13.656) 5(-25.912,11.744) 5(-25.912,11.744) 5(-25.912,3.496) 5(-25.912,3.496) 5(-24.888,13.656) 5(-24.888,13.656) 5(-24.888,11.744) 5(-24.888,11.744) 5(-24.888,3.496) 5(-24.888,3.496) 5(-24.888,14.284) 5(-24.888,14.284) 5(-24.888,11.116) 5(-24.888,11.116) 5(-24.888,9.204) 5(-24.888,9.204) 5(-24.888,8.576) 5(-24.888,8.576) 5(-24.888,6.664) 5(-24.888,6.664) 5(-24.888,6.036) 5(-24.888,6.036) 5(-24.888,4.124) 5(-24.888,4.124) 5(-24.888,1.584) 5(-24.888,1.584) 5(-24.888,0.956) 5(-24.888,0.956) 5(-24.444,14.728) 5(-24.444,14.728) 6(-24.444,13.212) 6(-24.444,13.212) 6(-24.444,12.188) 6(-24.444,12.188) 6(-24.444,10.672) 6(-24.444,10.672) 6(-24.444,9.648) 6(-24.444,9.648) 6(-24.444,8.132) 6(-24.444,8.132) 6(-24.444,7.108) 6(-24.444,7.108) 6(-24.444,5.592) 6(-24.444,5.592) 6(-24.444,4.568) 6(-24.444,4.568) 6(-24.444,3.052) 6(-24.444,3.052) 6(-24.444,2.028) 6(-24.444,2.028) 6(-24.444,0.512) 6(-24.444,0.512) 6(-23.816,14.728) 6(-23.816,14.728) 6(-23.816,13.212) 6(-23.816,13.212) 6(-23.816,12.188) 6(-23.816,12.188) 6(-23.816,10.672) 6(-23.816,10.672) 6(-23.816,9.648) 6(-23.816,9.648) 6(-23.816,8.132) 6(-23.816,8.132) 6(-23.816,7.108) 6(-23.816,7.108) 6(-23.816,5.592) 6(-23.816,5.592) 6(-23.816,4.568) 6(-23.816,4.568) 6(-23.816,3.052) 6(-23.816,3.052) 6(-23.816,2.028) 6(-23.816,2.028) 6(-23.816,0.512) 6(-23.816,0.512) 6(-23.372,14.284) 6(-23.372,14.284) 6(-23.372,11.116) 6(-23.372,11.116) 6(-23.372,9.204) 6(-23.372,9.204) 6(-23.372,8.576) 6(-23.372,8.576) 6(-23.372,6.664) 6(-23.372,6.664) 6(-23.372,6.036) 6(-23.372,6.036) 6(-23.372,4.124) 6(-23.372,4.124) 6(-23.372,1.584) 6(-23.372,1.584) 6(-23.372,0.956) 6(-23.372,0.956) 6(-23.372,13.656) 6(-23.372,13.656) 6(-23.372,11.744) 6(-23.372,11.744) 6(-23.372,3.496) 6(-23.372,3.496) 6(-22.348,13.656) 6(-22.348,13.656) 6(-22.348,11.744) 6(-22.348,11.744) 6(-22.348,3.496) 6(-22.348,3.496) 6(-22.348,14.284) 6(-22.348,14.284) 6(-22.348,11.116) 6(-22.348,11.116) 6(-22.348,9.204) 6(-22.348,9.204) 6(-22.348,8.576) 6(-22.348,8.576) 6(-22.348,6.664) 6(-22.348,6.664) 6(-22.348,6.036) 6(-22.348,6.036) 6(-22.348,4.124) 6(-22.348,4.124) 6(-22.348,1.584) 6(-22.348,1.584) 6(-22.348,0.956) 6(-22.348,0.956) 6(-21.904,14.728) 6(-21.904,14.728) 7(-21.904,13.212) 7(-21.904,13.212) 7(-21.904,12.188) 7(-21.904,12.188) 7(-21.904,10.672) 7(-21.904,10.672) 7(-21.904,9.648) 7(-21.904,9.648) 7(-21.904,8.132) 7(-21.904,8.132) 7(-21.904,7.108) 7(-21.904,7.108) 7(-21.904,5.592) 7(-21.904,5.592) 7(-21.904,4.568) 7(-21.904,4.568) 7(-21.904,3.052) 7(-21.904,3.052) 7(-21.904,2.028) 7(-21.904,2.028) 7(-21.904,0.512) 7(-21.904,0.512) 7(-21.276,14.728) 7(-21.276,14.728) 7(-21.276,13.212) 7(-21.276,13.212) 7(-21.276,12.188) 7(-21.276,12.188) 7(-21.276,10.672) 7(-21.276,10.672) 7(-21.276,9.648) 7(-21.276,9.648) 7(-21.276,8.132) 7(-21.276,8.132) 7(-21.276,7.108) 7(-21.276,7.108) 7(-21.276,5.592) 7(-21.276,5.592) 7(-21.276,4.568) 7(-21.276,4.568) 7(-21.276,3.052) 7(-21.276,3.052) 7(-21.276,2.028) 7(-21.276,2.028) 7(-21.276,0.512) 7(-21.276,0.512) 7(-20.832,14.284) 7(-20.832,14.284) 7(-20.832,11.116) 7(-20.832,11.116) 7(-20.832,9.204) 7(-20.832,9.204) 7(-20.832,8.576) 7(-20.832,8.576) 7(-20.832,6.664) 7(-20.832,6.664) 7(-20.832,6.036) 7(-20.832,6.036) 7(-20.832,4.124) 7(-20.832,4.124) 7(-20.832,1.584) 7(-20.832,1.584) 7(-20.832,0.956) 7(-20.832,0.956) 7(-20.832,13.656) 7(-20.832,13.656) 7(-20.832,11.744) 7(-20.832,11.744) 7(-20.832,3.496) 7(-20.832,3.496) 7(-19.808,13.656) 7(-19.808,13.656) 7(-19.808,11.744) 7(-19.808,11.744) 7(-19.808,3.496) 7(-19.808,3.496) 7(-19.808,14.284) 7(-19.808,14.284) 7(-19.808,11.116) 7(-19.808,11.116) 7(-19.808,9.204) 7(-19.808,9.204) 7(-19.808,8.576) 7(-19.808,8.576) 7(-19.808,6.664) 7(-19.808,6.664) 7(-19.808,6.036) 7(-19.808,6.036) 7(-19.808,4.124) 7(-19.808,4.124) 7(-19.808,1.584) 7(-19.808,1.584) 7(-19.808,0.956) 7(-19.808,0.956) 7(-19.364,14.728) 7(-19.364,14.728) 8(-19.364,13.212) 8(-19.364,13.212) 8(-19.364,12.188) 8(-19.364,12.188) 8(-19.364,10.672) 8(-19.364,10.672) 8(-19.364,9.648) 8(-19.364,9.648) 8(-19.364,8.132) 8(-19.364,8.132) 8(-19.364,7.108) 8(-19.364,7.108) 8(-19.364,5.592) 8(-19.364,5.592) 8(-19.364,4.568) 8(-19.364,4.568) 8(-19.364,3.052) 8(-19.364,3.052) 8(-19.364,2.028) 8(-19.364,2.028) 8(-19.364,0.512) 8(-19.364,0.512) 8(-18.736,14.728) 8(-18.736,14.728) 8(-18.736,13.212) 8(-18.736,13.212) 8(-18.736,12.188) 8(-18.736,12.188) 8(-18.736,10.672) 8(-18.736,10.672) 8(-18.736,9.648) 8(-18.736,9.648) 8(-18.736,8.132) 8(-18.736,8.132) 8(-18.736,7.108) 8(-18.736,7.108) 8(-18.736,5.592) 8(-18.736,5.592) 8(-18.736,4.568) 8(-18.736,4.568) 8(-18.736,3.052) 8(-18.736,3.052) 8(-18.736,2.028) 8(-18.736,2.028) 8(-18.736,0.512) 8(-18.736,0.512) 8(-18.292,14.284) 8(-18.292,14.284) 8(-18.292,11.116) 8(-18.292,11.116) 8(-18.292,9.204) 8(-18.292,9.204) 8(-18.292,8.576) 8(-18.292,8.576) 8(-18.292,6.664) 8(-18.292,6.664) 8(-18.292,6.036) 8(-18.292,6.036) 8(-18.292,4.124) 8(-18.292,4.124) 8(-18.292,1.584) 8(-18.292,1.584) 8(-18.292,0.956) 8(-18.292,0.956) 8(-18.292,13.656) 8(-18.292,13.656) 8(-18.292,11.744) 8(-18.292,11.744) 8(-18.292,3.496) 8(-18.292,3.496) 8(-17.268,13.656) 8(-17.268,13.656) 8(-17.268,11.744) 8(-17.268,11.744) 8(-17.268,3.496) 8(-17.268,3.496) 8(-17.268,14.284) 8(-17.268,14.284) 8(-17.268,11.116) 8(-17.268,11.116) 8(-17.268,9.204) 8(-17.268,9.204) 8(-17.268,8.576) 8(-17.268,8.576) 8(-17.268,6.664) 8(-17.268,6.664) 8(-17.268,6.036) 8(-17.268,6.036) 8(-17.268,4.124) 8(-17.268,4.124) 8(-17.268,1.584) 8(-17.268,1.584) 8(-17.268,0.956) 8(-17.268,0.956) 8(-16.824,14.728) 8(-16.824,14.728) 9(-16.824,13.212) 9(-16.824,13.212) 9(-16.824,12.188) 9(-16.824,12.188) 9(-16.824,10.672) 9(-16.824,10.672) 9(-16.824,9.648) 9(-16.824,9.648) 9(-16.824,8.132) 9(-16.824,8.132) 9(-16.824,7.108) 9(-16.824,7.108) 9(-16.824,5.592) 9(-16.824,5.592) 9(-16.824,4.568) 9(-16.824,4.568) 9(-16.824,3.052) 9(-16.824,3.052) 9(-16.824,2.028) 9(-16.824,2.028) 9(-16.824,0.512) 9(-16.824,0.512) 9(-16.196,14.728) 9(-16.196,14.728) 9(-16.196,13.212) 9(-16.196,13.212) 9(-16.196,12.188) 9(-16.196,12.188) 9(-16.196,10.672) 9(-16.196,10.672) 9(-16.196,9.648) 9(-16.196,9.648) 9(-16.196,8.132) 9(-16.196,8.132) 9(-16.196,7.108) 9(-16.196,7.108) 9(-16.196,5.592) 9(-16.196,5.592) 9(-16.196,4.568) 9(-16.196,4.568) 9(-16.196,3.052) 9(-16.196,3.052) 9(-16.196,2.028) 9(-16.196,2.028) 9(-16.196,0.512) 9(-16.196,0.512) 9(-15.752,14.284) 9(-15.752,14.284) 9(-15.752,11.116) 9(-15.752,11.116) 9(-15.752,9.204) 9(-15.752,9.204) 9(-15.752,8.576) 9(-15.752,8.576) 9(-15.752,6.664) 9(-15.752,6.664) 9(-15.752,6.036) 9(-15.752,6.036) 9(-15.752,4.124) 9(-15.752,4.124) 9(-15.752,1.584) 9(-15.752,1.584) 9(-15.752,0.956) 9(-15.752,0.956) 9(-15.752,13.656) 9(-15.752,13.656) 9(-15.752,11.744) 9(-15.752,11.744) 9(-15.752,3.496) 9(-15.752,3.496) 9(-14.728,13.656) 9(-14.728,13.656) 9(-14.728,11.744) 9(-14.728,11.744) 9(-14.728,3.496) 9(-14.728,3.496) 9(-14.728,14.284) 9(-14.728,14.284) 9(-14.728,11.116) 9(-14.728,11.116) 9(-14.728,9.204) 9(-14.728,9.204) 9(-14.728,8.576) 9(-14.728,8.576) 9(-14.728,6.664) 9(-14.728,6.664) 9(-14.728,6.036) 9(-14.728,6.036) 9(-14.728,4.124) 9(-14.728,4.124) 9(-14.728,1.584) 9(-14.728,1.584) 9(-14.728,0.956) 9(-14.728,0.956) 9(-14.284,14.728) 9(-14.284,14.728) 10(-14.284,13.212) 10(-14.284,13.212) 10(-14.284,12.188) 10(-14.284,12.188) 10(-14.284,10.672) 10(-14.284,10.672) 10(-14.284,9.648) 10(-14.284,9.648) 10(-14.284,8.132) 10(-14.284,8.132) 10(-14.284,7.108) 10(-14.284,7.108) 10(-14.284,5.592) 10(-14.284,5.592) 10(-14.284,4.568) 10(-14.284,4.568) 10(-14.284,3.052) 10(-14.284,3.052) 10(-14.284,2.028) 10(-14.284,2.028) 10(-14.284,0.512) 10(-14.284,0.512) 10(-13.656,14.728) 10(-13.656,14.728) 10(-13.656,13.212) 10(-13.656,13.212) 10(-13.656,12.188) 10(-13.656,12.188) 10(-13.656,10.672) 10(-13.656,10.672) 10(-13.656,9.648) 10(-13.656,9.648) 10(-13.656,8.132) 10(-13.656,8.132) 10(-13.656,7.108) 10(-13.656,7.108) 10(-13.656,5.592) 10(-13.656,5.592) 10(-13.656,4.568) 10(-13.656,4.568) 10(-13.656,3.052) 10(-13.656,3.052) 10(-13.656,2.028) 10(-13.656,2.028) 10(-13.656,0.512) 10(-13.656,0.512) 10(-13.212,14.284) 10(-13.212,14.284) 10(-13.212,11.116) 10(-13.212,11.116) 10(-13.212,9.204) 10(-13.212,9.204) 10(-13.212,8.576) 10(-13.212,8.576) 10(-13.212,6.664) 10(-13.212,6.664) 10(-13.212,6.036) 10(-13.212,6.036) 10(-13.212,4.124) 10(-13.212,4.124) 10(-13.212,1.584) 10(-13.212,1.584) 10(-13.212,0.956) 10(-13.212,0.956) 10(-13.212,13.656) 10(-13.212,13.656) 10(-13.212,11.744) 10(-13.212,11.744) 10(-13.212,3.496) 10(-13.212,3.496) 10(-12.188,13.656) 10(-12.188,13.656) 10(-12.188,11.744) 10(-12.188,11.744) 10(-12.188,3.496) 10(-12.188,3.496) 10(-12.188,14.284) 10(-12.188,14.284) 10(-12.188,11.116) 10(-12.188,11.116) 10(-12.188,9.204) 10(-12.188,9.204) 10(-12.188,8.576) 10(-12.188,8.576) 10(-12.188,6.664) 10(-12.188,6.664) 10(-12.188,6.036) 10(-12.188,6.036) 10(-12.188,4.124) 10(-12.188,4.124) 10(-12.188,1.584) 10(-12.188,1.584) 10(-12.188,0.956) 10(-12.188,0.956) 10(-11.744,14.728) 10(-11.744,14.728) 11(-11.744,13.212) 11(-11.744,13.212) 11(-11.744,12.188) 11(-11.744,12.188) 11(-11.744,10.672) 11(-11.744,10.672) 11(-11.744,9.648) 11(-11.744,9.648) 11(-11.744,8.132) 11(-11.744,8.132) 11(-11.744,7.108) 11(-11.744,7.108) 11(-11.744,5.592) 11(-11.744,5.592) 11(-11.744,4.568) 11(-11.744,4.568) 11(-11.744,3.052) 11(-11.744,3.052) 11(-11.744,2.028) 11(-11.744,2.028) 11(-11.744,0.512) 11(-11.744,0.512) 11(-11.116,14.728) 11(-11.116,14.728) 11(-11.116,13.212) 11(-11.116,13.212) 11(-11.116,12.188) 11(-11.116,12.188) 11(-11.116,10.672) 11(-11.116,10.672) 11(-11.116,9.648) 11(-11.116,9.648) 11(-11.116,8.132) 11(-11.116,8.132) 11(-11.116,7.108) 11(-11.116,7.108) 11(-11.116,5.592) 11(-11.116,5.592) 11(-11.116,4.568) 11(-11.116,4.568) 11(-11.116,3.052) 11(-11.116,3.052) 11(-11.116,2.028) 11(-11.116,2.028) 11(-11.116,0.512) 11(-11.116,0.512) 11(-10.672,14.284) 11(-10.672,14.284) 11(-10.672,11.116) 11(-10.672,11.116) 11(-10.672,9.204) 11(-10.672,9.204) 11(-10.672,8.576) 11(-10.672,8.576) 11(-10.672,6.664) 11(-10.672,6.664) 11(-10.672,6.036) 11(-10.672,6.036) 11(-10.672,4.124) 11(-10.672,4.124) 11(-10.672,1.584) 11(-10.672,1.584) 11(-10.672,0.956) 11(-10.672,0.956) 11(-10.672,13.656) 11(-10.672,13.656) 11(-10.672,11.744) 11(-10.672,11.744) 11(-10.672,3.496) 11(-10.672,3.496) 11(-9.648,13.656) 11(-9.648,13.656) 11(-9.648,11.744) 11(-9.648,11.744) 11(-9.648,3.496) 11(-9.648,3.496) 11(-9.648,14.284) 11(-9.648,14.284) 11(-9.648,11.116) 11(-9.648,11.116) 11(-9.648,9.204) 11(-9.648,9.204) 11(-9.648,8.576) 11(-9.648,8.576) 11(-9.648,6.664) 11(-9.648,6.664) 11(-9.648,6.036) 11(-9.648,6.036) 11(-9.648,4.124) 11(-9.648,4.124) 11(-9.648,1.584) 11(-9.648,1.584) 11(-9.648,0.956) 11(-9.648,0.956) 11(-9.204,14.728) 11(-9.204,14.728) 12(-9.204,13.212) 12(-9.204,13.212) 12(-9.204,12.188) 12(-9.204,12.188) 12(-9.204,10.672) 12(-9.204,10.672) 12(-9.204,9.648) 12(-9.204,9.648) 12(-9.204,8.132) 12(-9.204,8.132) 12(-9.204,7.108) 12(-9.204,7.108) 12(-9.204,5.592) 12(-9.204,5.592) 12(-9.204,4.568) 12(-9.204,4.568) 12(-9.204,3.052) 12(-9.204,3.052) 12(-9.204,2.028) 12(-9.204,2.028) 12(-9.204,0.512) 12(-9.204,0.512) 12(-8.576,14.728) 12(-8.576,14.728) 12(-8.576,13.212) 12(-8.576,13.212) 12(-8.576,12.188) 12(-8.576,12.188) 12(-8.576,10.672) 12(-8.576,10.672) 12(-8.576,9.648) 12(-8.576,9.648) 12(-8.576,8.132) 12(-8.576,8.132) 12(-8.576,7.108) 12(-8.576,7.108) 12(-8.576,5.592) 12(-8.576,5.592) 12(-8.576,4.568) 12(-8.576,4.568) 12(-8.576,3.052) 12(-8.576,3.052) 12(-8.576,2.028) 12(-8.576,2.028) 12(-8.576,0.512) 12(-8.576,0.512) 12(-8.132,14.284) 12(-8.132,14.284) 12(-8.132,11.116) 12(-8.132,11.116) 12(-8.132,9.204) 12(-8.132,9.204) 12(-8.132,8.576) 12(-8.132,8.576) 12(-8.132,6.664) 12(-8.132,6.664) 12(-8.132,6.036) 12(-8.132,6.036) 12(-8.132,4.124) 12(-8.132,4.124) 12(-8.132,1.584) 12(-8.132,1.584) 12(-8.132,0.956) 12(-8.132,0.956) 12(-8.132,13.656) 12(-8.132,13.656) 12(-8.132,11.744) 12(-8.132,11.744) 12(-8.132,3.496) 12(-8.132,3.496) 12(-7.108,13.656) 12(-7.108,13.656) 12(-7.108,11.744) 12(-7.108,11.744) 12(-7.108,3.496) 12(-7.108,3.496) 12(-7.108,14.284) 12(-7.108,14.284) 12(-7.108,11.116) 12(-7.108,11.116) 12(-7.108,9.204) 12(-7.108,9.204) 12(-7.108,8.576) 12(-7.108,8.576) 12(-7.108,6.664) 12(-7.108,6.664) 12(-7.108,6.036) 12(-7.108,6.036) 12(-7.108,4.124) 12(-7.108,4.124) 12(-7.108,1.584) 12(-7.108,1.584) 12(-7.108,0.956) 12(-7.108,0.956) 12(-6.664,14.728) 12(-6.664,14.728) 13(-6.664,13.212) 13(-6.664,13.212) 13(-6.664,12.188) 13(-6.664,12.188) 13(-6.664,10.672) 13(-6.664,10.672) 13(-6.664,9.648) 13(-6.664,9.648) 13(-6.664,8.132) 13(-6.664,8.132) 13(-6.664,7.108) 13(-6.664,7.108) 13(-6.664,5.592) 